# Altium PCB Pleiades_Frouf.PcbDoc (part 8 of 12)
Units mil, origin at the board's own origin, x right, y up, seen from the top; angles counter-clockwise.
Board outline 12244.09 x 4515.28 mil, 12 copper layers (TOP, GND1, IN1, GND2, POW1, GND3, POW2, GND4, GND5, IN2, GND6, BOT), stack 63.546 mil thick; 1442 components, 702 nets, 4419 pads, 1756 vias.
Unrouted connection lines stored in the file: 1088.
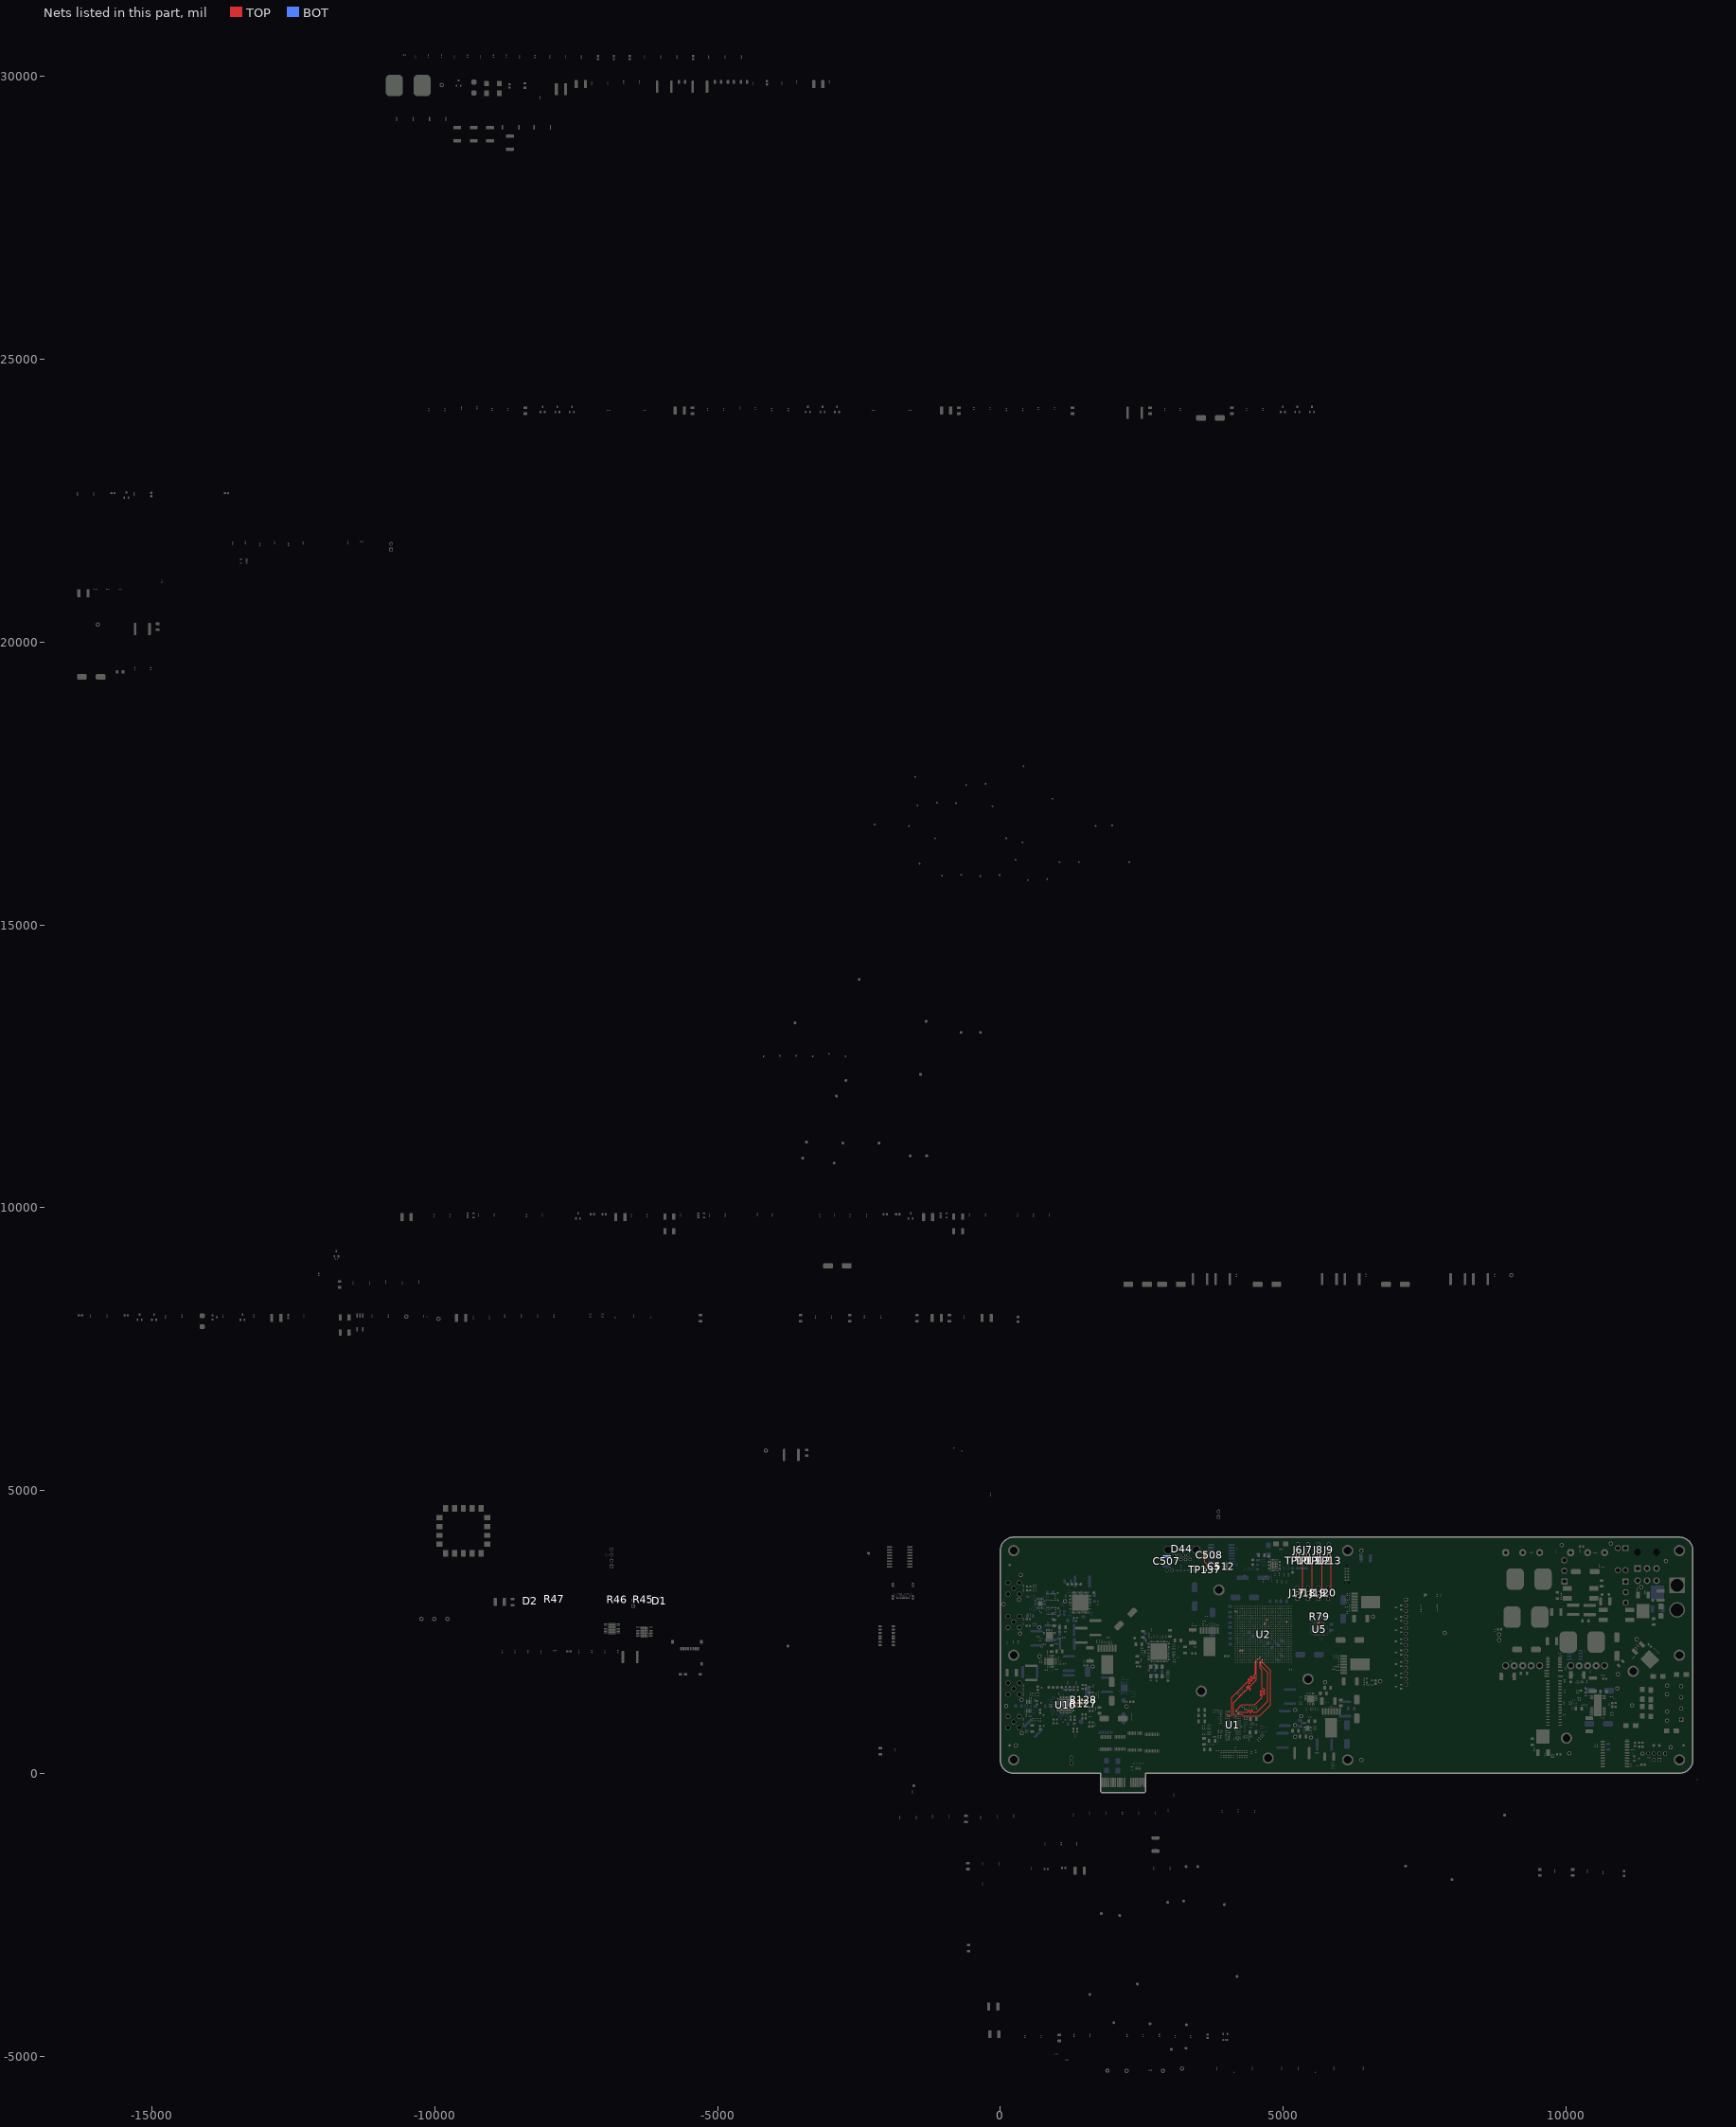
[diagram p18: the nets of this part, all layers, seen from the top]

## Via types
v1: diameter 12/18/18/18/18/18/18/18/18/18/18/12 (per signal layer), hole 6, TOP to BOT, 1113 vias
v2: diameter 20, hole 10, TOP to BOT, 363 vias
v3: diameter 19.68, hole 7.87, TOP to BOT, 110 vias
v4: diameter 25, hole 12, TOP to BOT, 67 vias
v5: diameter 40, hole 20, TOP to BOT, 48 vias
v6: diameter 22, hole 12, TOP to BOT, 27 vias
v7: diameter 12, hole 6, TOP to BOT, 19 vias
v8: diameter 19.68, hole 11.81, TOP to BOT, 9 vias

## Nets (pads, with @x,y where several pads share a name; then routed paths per layer and width w, separated by ;. In a path a pad name is that pad's centre, name@x,y a point inside that pad or via, vN(x,y) a via of type N, cw(c..) or ccw(c..) an arc to the next point about the centre after c; other vN are vias at no path point) (continued)
DQ11: U1.C2 U2.K1 | length 1497.7
  TOP w8.89: U1.C2@4015.75,1031.5 4031.92,1015.32 4065.79,1015.32 4090,1039.53 4090,1338.48 4334.62,1583.1 4358.19,1606.67 cw(c4368.41,1596.46) 4378.62,1606.67 4392.5,1592.8 ccw(c4402.71,1603.01) 4412.92,1592.8 ccw(c4402.71,1603.01) 4412.92,1613.23 4383.09,1643.07 cw(c4393.3,1653.28) 4383.09,1663.49 cw(c4393.3,1653.28) 4403.51,1663.49 4433.35,1633.66 ccw(c4443.57,1643.87) 4453.78,1633.66 ccw(c4443.57,1643.87) 4453.78,1654.08 4423.94,1683.92 cw(c4434.16,1694.14) 4423.94,1704.35 cw(c4434.16,1694.14) 4444.37,1704.35 4474.21,1674.51 ccw(c4484.42,1684.73) 4494.64,1674.51 ccw(c4484.42,1684.73) 4494.64,1694.94 4480.76,1708.82 cw(c4490.98,1719.03) 4480.76,1729.24 4511.81,1760.29 4511.81,1778.67 U2.K1@4511.81,1964.57
DQ12: U1.A7 U2.M3 | length 1466.5
  TOP w8.89: 4173.23,1000 4127.95,1045.28 4127.95,1246.32 4360.98,1479.34 4364.13,1482.49 ccw(c4357.45,1489.17) 4364.13,1495.85 4352.06,1507.91 cw(c4358.74,1514.58) 4352.06,1521.26 cw(c4358.74,1514.58) 4365.42,1521.26 4408.58,1478.1 ccw(c4415.26,1484.78) 4421.94,1478.1 ccw(c4415.26,1484.78) 4421.94,1491.46 4378.78,1534.62 cw(c4385.46,1541.3) 4378.78,1547.98 cw(c4385.46,1541.3) 4392.14,1547.98 4404.2,1535.92 ccw(c4410.88,1542.6) 4417.56,1535.92 4436.65,1555.02 4530,1648.36 4530,2005.81 4550.34,2026.15 4573.4,2026.15 U2.M3@4590.55,2043.31
DQ13: U1.A2 U2.M1 | length 1498.7
  TOP w8.89: 4173.23,1094.49 4173.23,1116.6 4270.19,1213.57 4499.67,1213.57 4624.75,1338.65 4629.92,1343.82 4629.92,1357.54 ccw(c4615.48,1357.54) 4615.48,1371.98 4606.7,1371.98 cw(c4606.7,1386.43) 4606.7,1400.87 4665.48,1400.87 ccw(c4665.48,1415.32) 4665.48,1429.76 4606.7,1429.76 cw(c4606.7,1444.21) 4606.7,1458.65 4665.48,1458.65 ccw(c4665.48,1473.1) 4665.48,1487.55 4644.37,1487.55 cw(c4644.37,1501.99) 4629.92,1501.99 4629.92,1525.45 4629.92,1816.24 4590.55,1855.61 U2.M1@4590.55,1964.57
DQ14: U1.B8 U2.N2 | length 1497.8
  TOP w8.89: U1.B8@4204.72,1062.99 4220.9,1079.17 4358.27,1079.17 4362.72,1079.17 ccw(c4362.72,1093.61) 4377.16,1093.61 4377.16,1097.4 cw(c4391.61,1097.4) 4406.05,1097.4 4406.05,1085.67 ccw(c4420.5,1085.67) 4434.95,1085.67 4434.95,1097.4 cw(c4449.39,1097.4) 4463.84,1097.4 4463.84,1093.61 ccw(c4478.28,1093.61) 4478.28,1079.17 4508.26,1079.17 4535.96,1079.17 4730,1273.21 4730,1783.55 4610.23,1903.32 4610.23,1984.25 U2.N2@4629.92,2003.94
DQ15: U1.A3 U2.N1 | length 1496.1
  TOP w8.89: 4204.72,1031.5 4220.9,1047.67 4261.97,1047.67 4294.33,1015.32 4374.25,1015.32 4529.7,1015.32 4588.62,1015.32 4781.72,1208.42 4781.72,1812.77 U2.N1@4629.92,1964.57
EN_EXT_SEL: R79.2 U2.AD19 U5.H4 | length 132.9
  TOP w6: U2.AD19@5062.99,2673.23 5062.99,2674.98 v1(5081.34,2693.33) ; U5.H4@5624.51,2657.15 5650,2682.65 R79.2@5650,2751.83
ETHERNET_GROUND: C507.2 C508.2 C512.1 D44.3 D44.8 TP137.1 | length 734.3
  TOP w6: v1(3560.43,3811.57) 3589.8,3811.57 C508.2@3614,3835.78 ; v1(3560.43,3890) 3589.8,3890 3614,3865.79 C508.2@3614,3855 C508.2@3614,3835.78 ; C512.1@3829,3659.12 3690.06,3659.12 3614,3735.18 C508.2@3614,3835.78
  BOT w6: v1(2900,3780) 2900,3803.46 2924.2,3827.67 C507.2@2945.71,3827.67 v1(2945.71,3780) ; v1(3189.68,3915) 3208.37,3933.69 3208.37,3949 D44.8@3209.37,3950 D44.3@3209.37,3980.31 v1(3209.37,4010)
EXT_TCK_7: J6.1 J17.2 TP10.1 | length 888.7
  TOP w6: J17.2@5250,3185 5335,3185 5345,3195 5345,3768.3 J6.1@5260,3853.3 TP10.1@5260,3757.25
EXT_TDI_7: J8.1 J19.2 TP12.1 | length 849.8
  TOP w6: J19.2@5625,3185 5682.2,3185 5692.2,3195 5692.2,3565.29 5692,3565.49 5692,3784.42 J8.1@5625,3851.42 TP12.1@5625,3757.25
EXT_TDO_7: J9.1 J20.2 TP13.1 | length 858
  TOP w6: J20.2@5798.76,3185 5849.43,3185 5852.95,3188.51 5852.95,3848.43 5849.43,3851.94 J9.1@5806.66,3851.94 TP13.1@5806.66,3757.25
EXT_TMS_7: J7.1 J18.2 TP11.1 | length 870
  TOP w6: J18.2@5440,3185 5510.43,3185 5517.73,3192.3 5517.73,3775.57 J7.1@5440,3853.3 TP11.1@5440,3757.25
FAN_PWM: D1.2 R45.1 U2.P18 | length 26.5
  TOP w6: U2.P18@4669.29,2633.86 4669.29,2635.72 v1(4686.69,2653.12)
FAN_TACH: D2.2 R46.1 R47.2 U2.R20 | length 29.3
  TOP w6: U2.R20@4708.66,2712.6 4710.73,2712.6 v1(4730,2693.33)
FGPA_TDO: U2.A24 U5.G1 | length 59.7
  TOP w6: U2.A24@4157.48,2870.08 4177.8,2849.76 v1(4180,2849.76) ; U5.G1@5719,2625.66 5736.65,2643.31 v1(5740.45,2643.31)
FRAME_N: R128.1 U2.C6 U10.20 | length 208.5
  TOP w4.33: U10.20@1291.97,1237.72 1352.79,1237.72 1413.17,1298.1 R128.1@1446.08,1298.1 ; U2.C6@4236.22,2161.42 4236.22,2163.06 v1(4255.84,2182.67)
FRAME_P: R127.1 U2.D6 U10.19 | length 187.2
  TOP w4.33: U10.19@1291.97,1218.03 1370.11,1218.03 1385,1232.92 R127.1@1446.46,1232.92 ; U2.D6@4275.59,2161.42 4293.62,2179.45 v1(4293.62,2180.47)